# KiCad board SparkFun_BlueSMiRF-ESP32-PTH_panelized.kicad_pcb (continued)
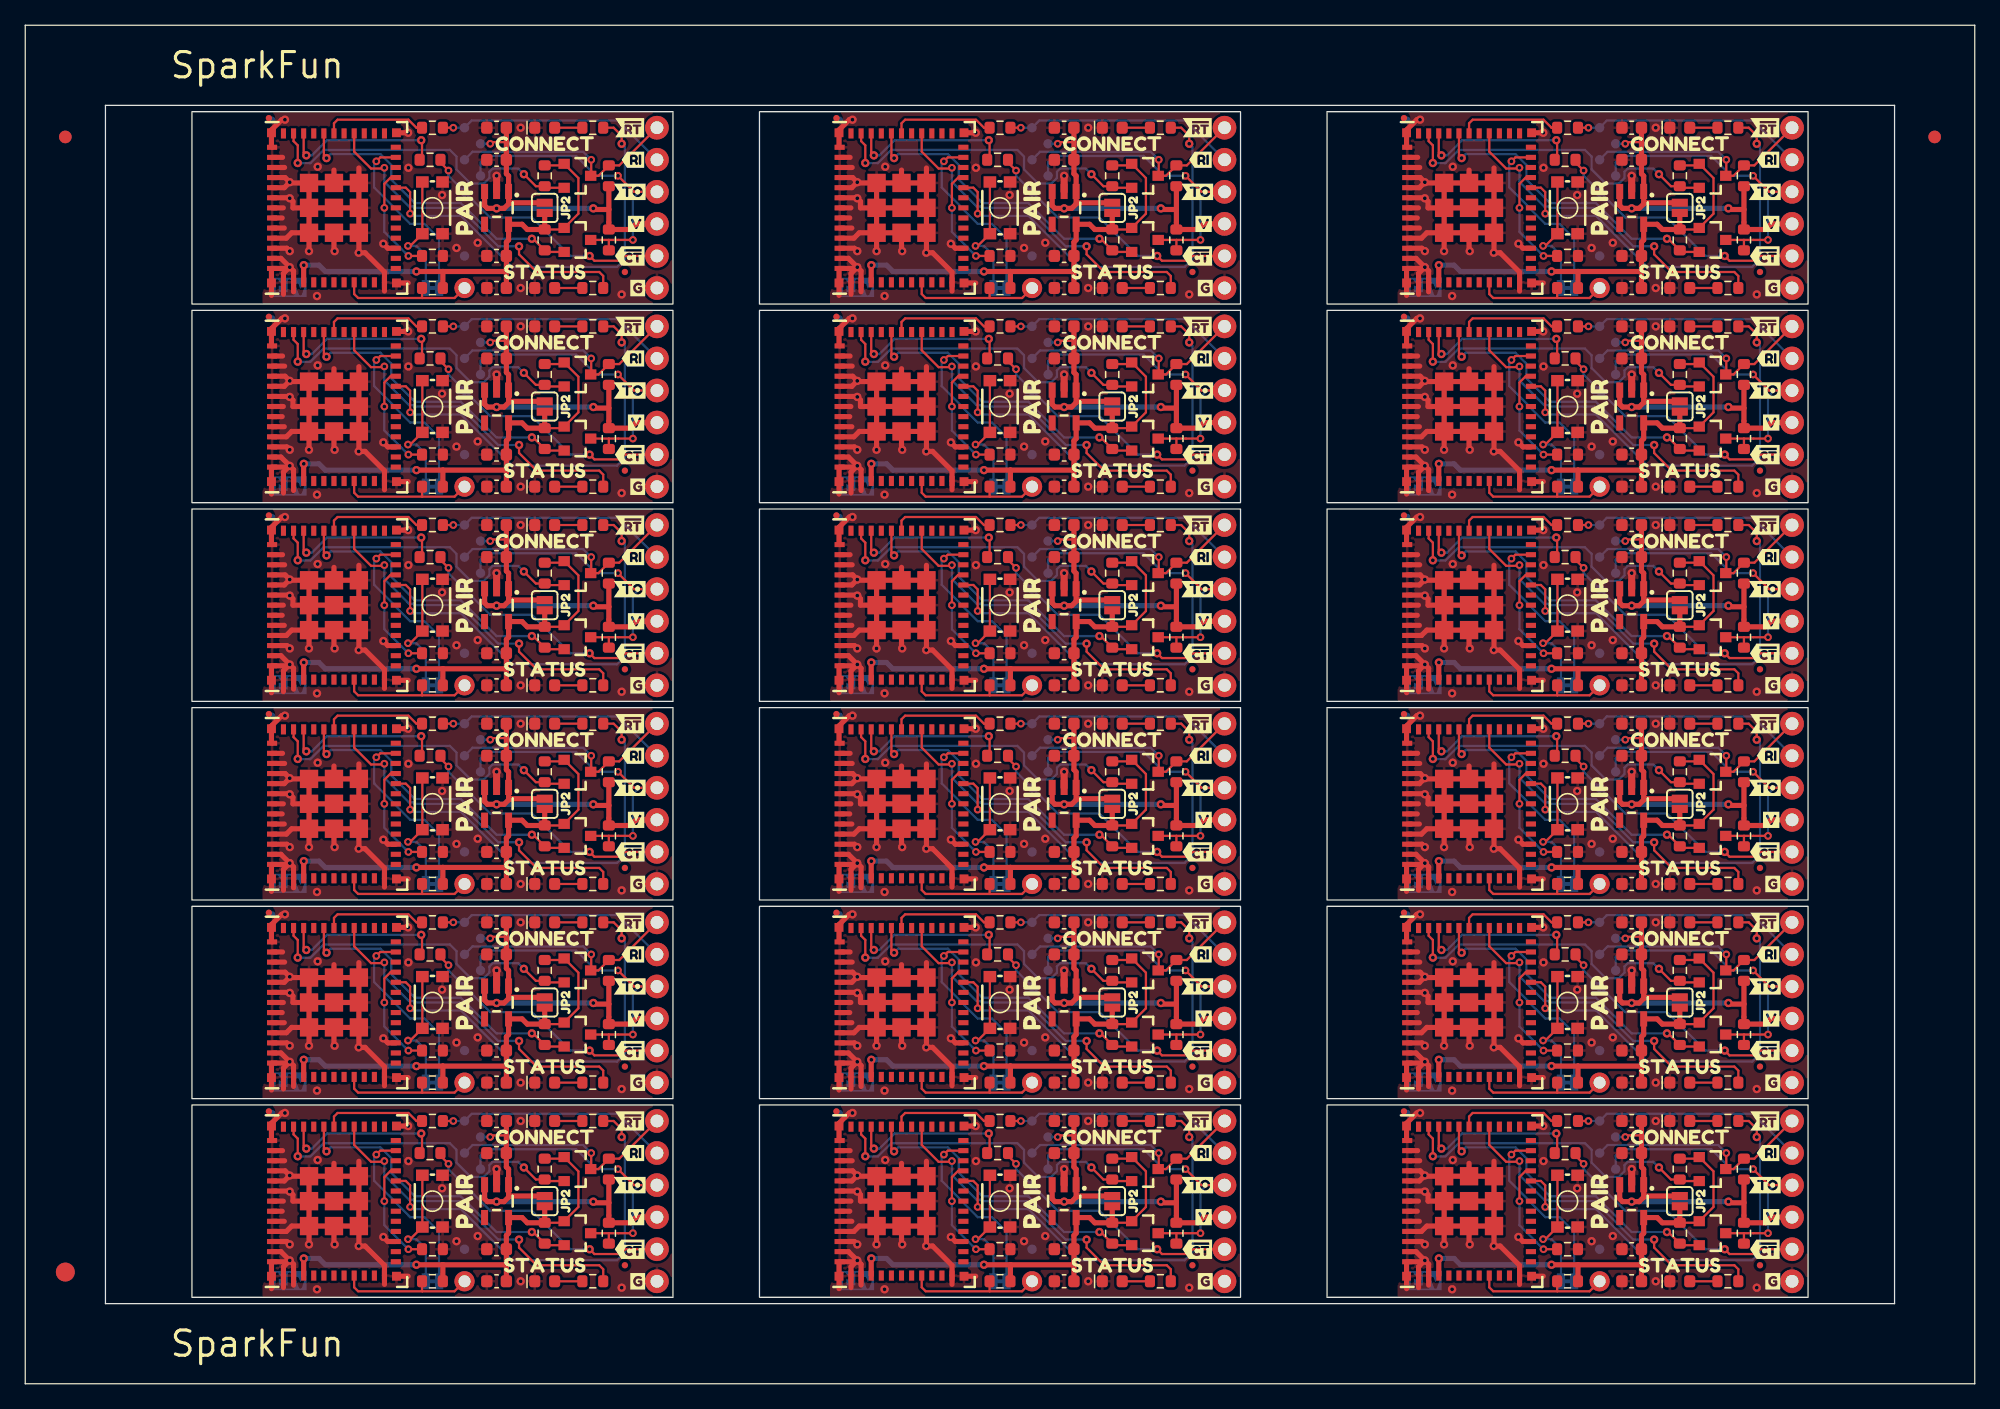
[diagram p0: board, top side]
## Nets (continued)

## Via types
v1: diameter 0.66, hole 0.305, Top to Bottom, 594 vias
v2: diameter 0.61, hole 0.305, Top to Bottom, 216 vias

## Routing (per net, layer and track width the routed paths; a pad name or vN(x,y) marks a point on that pad's centre or on a via; arc(x,y) is an arc through that point)
+3.3V: length 676.6
  Top w0.178: R7#4.1 87.5,59.98 Q1#6.1 88.76,61.23 88.76,64.05 Q2#4.1 87.5,65.06 R8#9.1 ; R7#9.1 87.5,28.5 Q1#7.1 88.76,29.75 88.76,32.57 Q2#10.1 87.5,33.58 R8#6.1 ; R7#5.1 132.45,75.72 Q1#17.1 133.71,76.97 133.71,79.79 Q2#5.1 132.45,80.8 R8#17.1 ; 86.09,96.53 87.5,96.53 Q2#12.1 88.76,95.53 88.76,92.71 Q1#10.1 87.5,91.46 86.09,91.46 ; R7#6.1 87.5,75.72 Q1#15.1 88.76,76.97 88.76,79.79 Q2#2.1 87.5,80.8 R8#10.1 ; R8#14.1 132.45,49.32 Q2#15.1 133.71,48.31 133.71,45.49 Q1#2.1 132.45,44.24 R7#15.1 ; R8#13.1 132.45,33.58 Q2#14.1 133.71,32.57 133.71,29.75 Q1.1 132.45,28.5 R7#14.1 ; R8#12.1 132.45,17.84 Q2#13.1 133.71,16.83 133.71,14.01 Q1#11.1 132.45,12.76 R7#13.1 ; R7#12.1 42.56,75.72 Q1#8.1 43.81,76.97 43.81,79.79 Q2.1 42.56,80.8 R8#4.1 ; R8#8.1 87.5,17.84 Q2#8.1 88.76,16.83 88.76,14.01 Q1#12.1 87.5,12.76 R7#7.1 ; R8.1 42.56,49.32 Q2#9.1 43.81,48.31 43.81,45.49 Q1#5.1 42.56,44.24 R7#8.1 ; R8#3.1 42.56,65.06 Q2#6.1 43.81,64.05 43.81,61.23 Q1#14.1 42.56,59.98 R7.1 ; R7#10.1 87.5,44.24 Q1#3.1 88.76,45.49 88.76,48.31 Q2#11.1 87.5,49.32 R8#7.1 ; R7#16.1 132.45,59.98 Q1#16.1 133.71,61.23 133.71,64.05 Q2#16.1 132.45,65.06 R8#15.1 ; 131.04,96.53 132.45,96.53 Q2#17.1 133.71,95.53 133.71,92.71 Q1#4.1 132.45,91.46 131.04,91.46 ; R8#2.1 42.56,33.58 Q2#3.1 43.81,32.57 43.81,29.75 Q1#13.1 42.56,28.5 R7#3.1 ; R8#18.1 42.56,17.84 Q2#18.1 43.81,16.83 43.81,14.01 Q1#18.1 42.56,12.76 R7#18.1 ; 41.14,96.53 42.56,96.53 Q2#7.1 43.81,95.53 43.81,92.71 Q1#9.1 42.56,91.46 41.14,91.46
  Top w0.406: JP2#14.2 R7#6.1 84.71,75.72 84.3,76.13 U2#12.5 83.23,74.89 83.06,74.71 C3#14.1 83.06,72.39 ; v1(30.98,9.43) 33.08,9.43 ; 33.08,9.43 38.1,9.43 ; 33.07,9.43 R1#18.1 ; 122.98,25.17 128,25.17 ; 122.98,25.17 v1(120.88,25.17) ; 122.97,25.17 R1#6.1 ; 128,25.17 C4#4.1 ; 128,25.17 C3#17.1 128,27.49 128.18,27.67 U2#14.5 129.25,28.91 129.66,28.5 R7#14.1 JP2#15.2 ; U1#8.3 67,9.92 v1(67.01,9.93) ; 38.1,72.39 C3#2.1 38.1,74.71 38.28,74.89 U2#7.5 39.35,76.13 39.76,75.72 R7#12.1 JP2#6.2 ; 38.1,72.39 33.08,72.39 ; 38.1,72.39 C4#7.1 ; U1#12.3 67,41.4 v1(67.01,41.41) ; 33.08,40.91 38.1,40.91 ; 33.08,40.91 v1(30.98,40.91) ; 33.07,40.91 R1#15.1 ; 38.1,40.91 C4#12.1 ; 38.1,40.91 C3#12.1 38.1,43.23 38.28,43.41 U2#3.5 39.35,44.65 39.76,44.24 R7#8.1 JP2.2 ; R1#9.1 122.97,9.43 ; 122.98,9.43 128,9.43 ; 122.98,9.43 v1(120.88,9.43) ; 38.1,88.13 C3#11.1 38.1,90.45 38.28,90.63 U2#2.5 39.35,91.87 39.76,91.46 41.14,91.46 JP2#7.2 ; 38.1,88.13 C4#2.1 ; 38.1,88.13 33.08,88.13 ; 33.07,72.39 R1#12.1 ; 33.08,72.39 v1(30.98,72.39) ; 122.98,40.91 128,40.91 ; 122.98,40.91 v1(120.88,40.91) ; 122.97,40.91 R1#8.1 ; 128,40.91 C4#5.1 ; 128,40.91 C3#6.1 128,43.23 128.18,43.41 U2#5.5 129.25,44.65 129.66,44.24 R7#15.1 JP2#17.2 ; v1(67.01,25.67) 67,25.66 U1#16.3 ; 38.1,9.43 C3#18.1 38.1,11.75 38.28,11.93 U2#18.5 39.35,13.17 39.76,12.76 R7#18.1 JP2#18.2 ; 38.1,9.43 C4#18.1 ; U1#6.3 67,57.14 v1(67.01,57.15) ; U1#7.3 111.95,57.14 v1(111.96,57.15) ; R1#5.1 78.03,72.39 78.03,72.39 ; v1(120.88,56.65) 122.98,56.65 ; 122.97,56.65 R1#10.1 ; 122.98,56.65 128,56.65 ; 122.98,72.39 128,72.39 ; 122.97,72.39 R1#3.1 ; 122.98,72.39 v1(120.88,72.39) ; 128,72.39 C4#11.1 ; 128,72.39 C3#5.1 128,74.71 128.18,74.89 U2#15.5 129.25,76.13 129.66,75.72 R7#5.1 JP2#9.2 ; v1(111.96,41.41) 111.95,41.4 U1#13.3 ; C4#14.1 128,88.13 ; 128,88.13 122.98,88.13 ; 128,88.13 C3#7.1 128,90.45 128.18,90.63 U2#16.5 129.25,91.87 129.66,91.46 131.04,91.46 JP2#16.2 ; 128,9.43 C3#16.1 128,11.75 128.18,11.93 U2#4.5 129.25,13.17 129.66,12.76 R7#13.1 JP2#12.2 ; 128,9.43 C4#15.1 ; R1#14.1 78.03,25.17 78.03,25.17 ; v1(22.06,9.93) 22.05,9.92 U1#18.3 ; C4#16.1 128,56.65 ; 128,56.65 C3#3.1 128,58.97 128.18,59.15 U2#17.5 129.25,60.39 129.66,59.98 R7#16.1 JP2#13.2 ; 78.03,25.17 83.06,25.17 ; 78.03,25.17 v1(75.93,25.17) ; v1(30.98,88.13) 33.08,88.13 ; 33.07,88.13 R1#13.1 ; 78.03,9.43 78.03,9.43 R1#17.1 ; 78.03,9.43 83.06,9.43 ; 78.03,9.43 v1(75.93,9.43) ; 83.06,88.13 C3.1 83.06,90.45 83.23,90.63 U2#13.5 84.3,91.87 84.71,91.46 86.09,91.46 JP2#11.2 ; 83.06,88.13 78.03,88.13 ; 83.06,88.13 C4#3.1 ; 83.06,40.91 C3#13.1 83.06,43.23 83.23,43.41 U2#10.5 84.3,44.65 84.71,44.24 R7#10.1 JP2#3.2 ; 83.06,40.91 78.03,40.91 ; 83.06,40.91 C4#13.1 ; v1(30.98,56.65) 33.08,56.65 ; 33.08,56.65 38.1,56.65 ; 33.07,56.65 R1#16.1 ; 83.06,9.43 C3#8.1 83.06,11.75 83.23,11.93 U2#8.5 84.3,13.17 84.71,12.76 R7#7.1 JP2#2.2 ; 83.06,9.43 C4.1 ; 78.03,88.13 v1(75.93,88.13) ; 78.03,88.13 78.03,88.13 R1#4.1 ; U1#3.3 22.05,57.14 v1(22.06,57.15) ; 78.03,72.39 83.06,72.39 ; 78.03,72.39 v1(75.93,72.39) ; JP2#4.2 R7#3.1 39.76,28.5 39.35,28.91 U2#6.5 38.28,27.67 38.1,27.49 C3#4.1 38.1,25.17 ; U1#14.3 22.05,72.88 v1(22.06,72.89) ; C4#10.1 83.06,72.39 ; v1(111.96,72.89) 111.95,72.88 U1#10.3 ; v1(75.93,56.65) 78.03,56.65 ; 78.03,56.65 78.03,56.65 R1#7.1 ; 78.03,56.65 83.06,56.65 ; 83.06,25.17 C3#15.1 83.06,27.49 83.23,27.67 U2#9.5 84.3,28.91 84.71,28.5 R7#9.1 JP2#8.2 ; 83.06,25.17 C4#8.1 ; U1#17.3 67,72.88 v1(67.01,72.89) ; C4#6.1 38.1,56.65 ; 38.1,56.65 C3#10.1 38.1,58.97 38.28,59.15 U2.5 39.35,60.39 39.76,59.98 R7.1 JP2#5.2 ; v1(111.96,25.67) 111.95,25.66 U1#5.3 ; v1(111.96,9.93) 111.95,9.92 U1#4.3 ; 122.98,88.13 v1(120.88,88.13) ; 122.97,88.13 R1.1 ; U1#15.3 111.95,88.62 v1(111.96,88.63) ; 78.03,40.91 v1(75.93,40.91) ; 78.03,40.91 78.03,40.91 R1#2.1 ; 83.06,56.65 C3#9.1 83.06,58.97 83.23,59.15 U2#11.5 84.3,60.39 84.71,59.98 R7#4.1 JP2#10.2 ; 83.06,56.65 C4#9.1 ; v1(22.06,88.63) 22.05,88.62 U1#11.3 ; U1.3 22.05,25.66 v1(22.06,25.67) ; C4#17.1 38.1,25.17 ; 38.1,25.17 33.08,25.17 ; U1#9.3 67,88.62 v1(67.01,88.63) ; U1#2.3 22.05,41.4 v1(22.06,41.41) ; v1(30.98,25.17) 33.08,25.17 ; 33.07,25.17 R1#11.1
  Bottom w0.406: v1(67.01,88.63) 68.22,88.63 68.72,88.13 v1(75.93,88.13) ; v1(67.01,72.89) 68.22,72.89 68.72,72.39 v1(75.93,72.39) ; v1(75.93,56.65) 68.72,56.65 68.22,57.15 v1(67.01,57.15) ; v1(22.06,57.15) 23.26,57.15 23.76,56.65 v1(30.98,56.65) ; v1(120.88,40.91) 113.66,40.91 113.16,41.41 v1(111.96,41.41) ; v1(120.88,25.17) 113.66,25.17 113.16,25.67 v1(111.96,25.67) ; v1(75.93,25.17) 68.72,25.17 68.22,25.67 v1(67.01,25.67) ; v1(22.06,72.89) 23.26,72.89 23.76,72.39 v1(30.98,72.39) ; v1(30.98,88.13) 23.76,88.13 23.26,88.63 v1(22.06,88.63) ; v1(120.88,72.39) 113.66,72.39 113.16,72.89 v1(111.96,72.89) ; v1(120.88,56.65) 113.66,56.65 113.16,57.15 v1(111.96,57.15) ; v1(120.88,88.13) 113.66,88.13 113.16,88.63 v1(111.96,88.63) ; v1(111.96,9.93) 113.16,9.93 113.66,9.43 v1(120.88,9.43) ; v1(30.98,40.91) 23.76,40.91 23.26,41.41 v1(22.06,41.41) ; v1(30.98,25.17) 23.76,25.17 23.26,25.67 v1(22.06,25.67) ; v1(75.93,9.43) 68.72,9.43 68.22,9.93 v1(67.01,9.93) ; v1(22.06,9.93) 23.26,9.93 23.76,9.43 v1(30.98,9.43) ; v1(75.93,40.91) 68.72,40.91 68.22,41.41 v1(67.01,41.41)
GND: length 1164.4
  Top w0.406: U1#13.42 110.34,45.95 ; U1#10.49.3 116.32,73.89 v1(116.31,73.87) 116.81,73.87 118.35,72.34 U1#10.11 118.35,70.84 ; U1#10.49.3 U1#10.49.2 ; U1#10.49.3 U1#10.49.4 ; U1#14.49.2 U1#14.49.1 ; U1#14.49.2 U1#14.49.3 ; U1#14.49.2 24.45,74.05 v1(24.5,74) ; U1#14.49.1 22.47,74.01 v1(22.47,74) ; U1#14.49.1 21.1,75.46 20.68,75.03 U1#14.45 ; U1#14.49.1 U1#14.49.8 ; v1(20.95,25.51) 20.85,25.41 U1.48 19.5,25.36 U1.53 19.5,23.28 ; v1(20.95,25.51) 21.25,25.21 U1.2 21.25,23.56 ; v1(20.95,25.51) 20.45,25.01 U1.1 20.45,23.36 ; v1(20.95,25.51) 20.25,26.21 U1.47 ; U1#9.46 65.67,89.97 v1(65.9,89.74) ; U1#15.39 110.48,95.57 v1(110.85,95.2) ; 110.35,23.36 U1#5.1 110.35,25.01 v1(110.85,25.51) ; U1#8.47 65.2,10.47 v1(65.9,9.77) ; U1#11.49.8 U1#11.49.9 U1#11.49.4 ; U1#11.49.8 U1#11.49.7 ; U1#11.49.8 21.2,93.17 21.2,93.68 v1(20.95,93.93) 20.91,93.97 U1#11.41 ; U1#11.49.8 U1#11.49.1 ; U1#14.49.4 U1#14.49.9 U1#14.49.8 ; U1#14.49.4 U1#14.49.5 ; U1#14.49.4 U1#14.49.3 ; U1#2.49.8 21.2,45.95 21.2,46.46 v1(20.95,46.71) 20.91,46.75 U1#2.41 ; U1#2.49.8 U1#2.49.1 ; U1#2.49.8 U1#2.49.9 U1#2.49.4 ; U1#2.49.8 22.47,47.93 ; 71.38,59.72 71.38,58.15 v1(71.36,58.13) 71.86,58.13 73.4,56.6 U1#6.11 73.4,55.1 ; 71.38,59.72 U1#6.49.4 ; 71.38,59.72 69.4,59.72 ; U1#17.49.6 69.4,80.43 ; U1#17.49.6 U1#17.49.5 ; U1#17.49.6 67.42,79.41 ; 65.4,54.84 U1#6.1 65.4,56.49 v1(65.9,56.99) ; v1(67.42,42.52) 67.42,42.53 67.42,43.98 ; U1#12.49.2 69.4,42.57 v1(69.45,42.52) ; U1#12.49.2 67.42,43.98 ; U1#12.49.2 U1#12.49.3 ; 67.42,32.19 65.95,32.19 v1(65.9,32.24) ; 67.42,32.19 U1#16.49.6 ; 67.42,32.19 67.42,30.21 ; 69.4,47.93 71.38,47.93 ; 69.4,47.93 67.42,47.93 ; 69.4,47.93 69.4,48.95 ; 71.38,47.93 71.38,49.11 ; 71.38,47.93 U1#12.49.4 ; 67.42,77.43 U1#17.49.9 U1#17.49.4 ; 67.42,77.43 67.42,75.46 ; 67.42,77.43 67.42,79.41 ; 67.42,77.43 66.15,77.43 66.15,77.94 v1(65.9,78.19) 65.86,78.23 U1#17.41 ; U1#10.49.8 U1#10.49.9 U1#10.49.4 ; U1#10.49.8 111.1,77.43 111.1,77.94 v1(110.85,78.19) 110.81,78.23 U1#10.41 ; U1#10.49.8 U1#10.49.7 ; U1#10.49.8 U1#10.49.1 ; v1(24.5,42.52) 24.45,42.57 U1#2.49.2 ; U1#13.49.1 112.38,42.53 v1(112.37,42.52) ; U1#13.49.1 U1#13.49.8 ; U1#13.49.1 U1#13.49.2 ; U1#13.49.1 111,43.98 110.58,43.55 U1#13.45 ; U1#3.49.7 21,63.67 v1(20.95,63.72) ; U1#3.49.7 U1#3.49.8 ; U1#3.49.7 U1#3.49.6 ; U1.14 28.72,27.01 v1(28.36,27.37) ; 22.47,12.5 22.47,11.05 v1(22.47,11.04) ; 22.47,12.5 21.1,12.5 20.68,12.07 U1#18.45 ; 22.47,12.5 U1#18.49.8 ; 22.47,12.5 24.45,12.5 ; U1#9.40 65.47,94.77 v1(65.9,95.2) ; v1(118.26,90.33) 118.62,89.97 U1#15.14 ; v1(28.36,11.63) 28.72,11.27 U1#18.14 ; U1#5.49.1 111,28.24 110.58,27.81 U1#5.45 ; U1#5.49.1 112.38,26.79 v1(112.37,26.78) ; U1#5.49.1 U1#5.49.2 ; U1#5.49.1 U1#5.49.8 ; U1#10.36 109.4,82.28 U1#10.50 109.4,83.6 110.21,84.42 v1(110.47,84.42) ; U1#3.49.8 21.2,61.69 21.2,62.2 v1(20.95,62.45) 20.91,62.49 U1#3.41 ; U1#3.49.8 22.47,59.72 ; U1#3.49.8 U1#3.49.9 U1#3.49.4 ; U1#7.49.5 116.32,64.85 ; U1#7.49.5 U1#7.49.6 ; U1#7.49.5 U1#7.49.4 ; v1(65.9,72.73) 65.2,73.43 U1#17.47 ; v1(65.9,72.73) 66.2,72.43 U1#17.2 66.2,70.78 ; v1(65.9,72.73) 65.8,72.63 U1#17.48 64.45,72.58 U1#17.53 64.45,70.5 ; v1(65.9,72.73) 65.4,72.23 U1#17.1 65.4,70.58 ; U1#9.36 64.45,98.02 U1#9.50 64.45,99.34 65.26,100.16 v1(65.52,100.16) ; U1#8.49.4 U1#8.49.9 67.42,14.47 ; U1#8.49.4 U1#8.49.5 ; U1#8.49.4 71.38,12.5 ; v1(20.95,63.72) 20.58,64.09 U1#3.39 ; v1(20.95,63.72) 20.51,63.29 U1#3.40 ; 73.4,39.36 U1#12.11 73.4,40.86 71.86,42.39 v1(71.36,42.39) 71.38,42.41 U1#12.49.3 ; U1#8.44 65.47,12.87 ; U1.49.8 U1.49.9 U1.49.4 ; U1.49.8 21.2,30.21 21.2,30.72 v1(20.95,30.97) 20.91,31.01 U1.41 ; U1.49.8 U1.49.1 ; U1.49.8 U1.49.7 ; U1#12.39 65.53,48.35 v1(65.9,47.98) ; U1#18.37 20.38,18.47 ; U1#14.43 20.35,76.63 ; 110.35,39.1 U1#13.1 110.35,40.75 v1(110.85,41.25) ; v1(110.85,25.51) 110.75,25.41 U1#5.48 109.4,25.36 U1#5.53 109.4,23.28 ; v1(110.85,25.51) 111.15,25.21 U1#5.2 111.15,23.56 ; v1(110.85,25.51) 110.15,26.21 U1#5.47 ; v1(118.26,11.63) 118.62,11.27 U1#4.14 ; v1(69.45,26.78) 69.4,26.83 U1#16.49.2 ; U1#3.14 28.72,58.49 v1(28.36,58.85) ; v1(20.95,41.25) 20.45,40.75 U1#2.1 20.45,39.1 ; v1(20.95,41.25) 20.85,41.15 U1#2.48 19.5,41.1 U1#2.53 19.5,39.02 ; v1(20.95,41.25) 21.25,40.95 U1#2.2 21.25,39.3 ; v1(20.95,41.25) 20.25,41.95 U1#2.47 ; U1#13.14 118.62,42.75 v1(118.26,43.11) ; v1(24.5,26.78) 24.45,26.83 U1.49.2 ; 28.45,70.84 U1#14.11 28.45,72.34 26.91,73.87 v1(26.41,73.87) 26.42,73.89 U1#14.49.3 ; U1#3.42 20.44,61.69 ; v1(65.9,9.77) 66.2,9.47 U1#8.2 66.2,7.82 ; v1(65.9,9.77) 65.8,9.67 U1#8.48 64.45,9.62 U1#8.53 64.45,7.53 ; v1(65.9,9.77) 65.4,9.27 U1#8.1 65.4,7.62 ; 71.38,12.5 69.4,12.5 ; 71.38,12.5 71.38,10.93 v1(71.36,10.91) 71.86,10.91 73.4,9.38 U1#8.11 73.4,7.88 ; 69.4,12.5 67.42,12.5 ; 69.4,12.5 69.4,11.09 v1(69.45,11.04) ; U1#18.47 20.25,10.47 v1(20.95,9.77) ; U1#17.44 65.47,75.83 ; v1(110.85,47.98) 110.9,47.93 112.38,47.93 ; v1(110.85,47.98) 110.48,48.35 U1#13.39 ; v1(110.85,47.98) 110.41,47.55 U1#13.40 ; U1#6.49.6 U1#6.49.5 ; U1#6.49.6 67.42,63.67 ; U1#6.49.6 69.4,64.69 ; U1#6.49.5 U1#6.49.4 ; U1#6.49.5 71.38,64.85 ; U1#10.49.6 U1#10.49.7 ; U1#10.49.6 U1#10.49.5 ; U1#10.49.6 114.35,80.43 ; U1#10.49.7 110.9,79.41 v1(110.85,79.46) ; U1#11.52 30.33,87.22 ; U1#16.49.4 U1#16.49.9 67.42,30.21 ; U1#16.49.4 U1#16.49.5 ; U1#16.49.4 U1#16.49.3 ; v1(65.9,32.24) 65.53,32.61 U1#16.39 ; v1(65.9,32.24) 65.47,31.81 U1#16.40 ; 67.42,45.95 67.42,47.93 ; 67.42,45.95 U1#12.49.9 U1#12.49.4 ; 67.42,45.95 67.42,43.98 ; 67.42,45.95 66.15,45.95 66.15,46.46 v1(65.9,46.71) 65.86,46.75 U1#12.41 ; 67.42,47.93 65.95,47.93 v1(65.9,47.98) ; 114.35,59.72 112.38,59.72 ; 114.35,59.72 116.32,59.72 ; 114.35,59.72 114.35,58.31 v1(114.4,58.26) ; 112.38,59.72 U1#7.49.8 ; 112.38,59.72 111,59.72 110.58,59.29 U1#7.45 ; 112.38,59.72 112.38,58.27 v1(112.37,58.26) ; U1#17.49.5 U1#17.49.4 ; U1#17.49.5 71.38,80.59 ; U1.51 v1(30.33,36.16) ; 67.42,14.47 66.15,14.47 66.15,14.98 v1(65.9,15.23) 65.86,15.27 U1#8.41 ; 67.42,14.47 67.42,12.5 ; 67.42,14.47 67.42,16.45 ; U1#10.45 110.58,75.03 111,75.46 U1#10.49.1 ; v1(65.9,25.51) 65.4,25.01 U1#16.1 65.4,23.36 ; v1(65.9,25.51) 66.2,25.21 U1#16.2 66.2,23.56 ; v1(65.9,25.51) 65.2,26.21 U1#16.47 ; v1(65.9,25.51) 65.8,25.41 U1#16.48 64.45,25.36 U1#16.53 64.45,23.28 ; U1#9.49.5 71.38,96.33 ; U1#9.49.5 U1#9.49.4 ; U1#9.49.5 U1#9.49.6 ; v1(20.95,95.2) 20.51,94.77 U1#11.40 ; v1(20.95,95.2) 20.58,95.57 U1#11.39 ; v1(20.95,95.2) 21,95.15 U1#11.49.7 ; v1(20.95,32.24) 21,32.19 U1.49.7 ; v1(20.95,32.24) 20.51,31.81 U1.40 ; v1(20.95,32.24) 20.58,32.61 U1.39 ; U1#6.49.4 U1#6.49.9 67.42,61.69 ; 21.25,70.78 U1#14.2 21.25,72.43 v1(20.95,72.73) ; U1#12.40 65.47,47.55 v1(65.9,47.98) ; U1#4.43 110.25,13.67 ; v1(110.85,41.25) 110.15,41.95 U1#13.47 ; v1(110.85,41.25) 111.15,40.95 U1#13.2 111.15,39.3 ; v1(110.85,41.25) 110.75,41.15 U1#13.48 109.4,41.1 U1#13.53 109.4,39.02 ; v1(110.85,95.2) 110.41,94.77 U1#15.40 ; v1(110.85,95.2) 110.9,95.15 U1#15.49.7 ; U1#3.38 20.54,64.89 ; 24.45,59.72 24.45,58.31 v1(24.5,58.26) ; 24.45,59.72 22.47,59.72 ; 24.45,59.72 26.42,59.72 ; v1(110.85,32.24) 110.48,32.61 U1#5.39 ; v1(110.85,32.24) 110.9,32.19 U1#5.49.7 ; v1(110.85,32.24) 110.41,31.81 U1#5.40 ; v1(110.85,72.73) 110.15,73.43 U1#10.47 ; v1(110.85,72.73) 111.15,72.43 U1#10.2 111.15,70.78 ; v1(110.85,72.73) 110.35,72.23 U1#10.1 110.35,70.58 ; v1(110.85,72.73) 110.75,72.63 U1#10.48 109.4,72.58 U1#10.53 109.4,70.5 ; U1#12.51 v1(75.28,51.9) ; U1#2.49.3 U1#2.49.2 ; U1#2.49.3 U1#2.49.4 ; U1#2.49.3 26.42,42.41 v1(26.41,42.39) 26.91,42.39 28.45,40.86 U1#2.11 28.45,39.36 ; U1#2.49.2 U1#2.49.1 ; U1#10.37 110.28,81.43 ; U1#3.49.4 U1#3.49.5 ; U1#3.49.4 26.42,59.72 ; U1#3.49.5 26.42,64.85 ; U1#3.49.5 U1#3.49.6 ; U1#15.49.3 116.32,89.63 v1(116.31,89.61) 116.81,89.61 118.35,88.08 U1#15.11 118.35,86.58 ; U1#15.49.3 U1#15.49.4 ; U1#15.49.3 U1#15.49.2 ; 69.4,59.72 67.42,59.72 ; 69.4,59.72 69.4,58.31 v1(69.45,58.26) ; 67.42,59.72 66.06,59.72 65.63,59.29 U1#6.45 ; 67.42,59.72 67.42,58.27 v1(67.42,58.26) ; 67.42,59.72 67.42,61.69 ; 67.42,28.24 66.06,28.24 65.63,27.81 U1#16.45 ; 67.42,28.24 67.42,26.79 v1(67.42,26.78) ; 67.42,28.24 67.42,30.21 ; 67.42,28.24 U1#16.49.2 ; U1#5.49.8 111.1,30.21 111.1,30.72 v1(110.85,30.97) 110.81,31.01 U1#5.41 ; U1#5.49.8 U1#5.49.9 U1#5.49.4 ; U1#5.49.8 U1#5.49.7 ; U1#9.47 65.2,89.17 v1(65.9,88.47) ; U1#13.49.3 U1#13.49.2 ; U1#13.49.3 U1#13.49.4 ; U1#13.49.3 116.32,42.41 v1(116.31,42.39) 116.81,42.39 118.35,40.86 U1#13.11 118.35,39.36 ; U1#13.49.2 114.35,42.57 v1(114.4,42.52) ; U1#8.49.6 U1#8.49.5 ; U1#8.49.6 69.4,17.47 ; U1#8.49.6 67.42,16.45 ; U1#8.49.5 71.38,17.63 ; U1#5.49.3 U1#5.49.2 ; U1#5.49.3 116.32,26.67 v1(116.31,26.65) 116.81,26.65 118.35,25.12 U1#5.11 118.35,23.62 ; U1#5.49.3 U1#5.49.4 ; U1#5.49.2 114.35,26.83 v1(114.4,26.78) ; U1#13.43 110.25,45.15 ; U1#14.49.6 U1#14.49.5 ; U1#14.49.6 24.45,80.43 ; U1#14.49.6 U1#14.49.7 ; U1#14.49.5 26.42,80.59 ; U1#14.51 v1(30.33,83.38) ; 67.42,75.46 66.06,75.46 65.63,75.03 U1#17.45 ; 67.42,75.46 67.42,74.01 v1(67.42,74) ; 67.42,75.46 U1#17.49.2 ; v1(20.95,16.5) 21,16.45 U1#18.49.7 ; v1(20.95,16.5) 20.51,16.07 U1#18.40 ; v1(20.95,16.5) 20.58,16.87 U1#18.39 ; U1#6.40 65.47,63.29 v1(65.9,63.72) ; U1.49.7 U1.49.6 ; U1#8.46 65.67,11.27 v1(65.9,11.04) ; v1(114.4,89.74) 114.35,89.79 U1#15.49.2 ; v1(110.85,58.26) 110.62,58.49 U1#7.46 ; U1#15.52 120.23,87.22 ; U1.49.5 26.42,33.37 ; U1.49.5 U1.49.4 ; U1.49.5 U1.49.6 ; U1#17.37 65.33,81.43 ; 26.42,12.5 U1#18.49.4 ; 26.42,12.5 26.42,10.93 v1(26.41,10.91) 26.91,10.91 28.45,9.38 U1#18.11 28.45,7.88 ; 26.42,12.5 24.45,12.5 ; U1#18.49.4 U1#18.49.9 U1#18.49.8 ; U1#18.49.4 U1#18.49.5 ; 28.45,86.58 U1#11.11 28.45,88.08 26.91,89.61 v1(26.41,89.61) 26.42,89.63 U1#11.49.3 ; v1(20.57,37.2) 20.31,37.2 19.5,36.38 U1.50 19.5,35.06 U1.36 ; U1#9.49.4 U1#9.49.3 ; U1#9.49.4 U1#9.49.9 67.42,93.17 ; U1#17.14 73.67,74.23 v1(73.31,74.59) ; 110.35,86.32 U1#15.1 110.35,87.97 v1(110.85,88.47) ; 67.42,61.69 66.15,61.69 66.15,62.2 v1(65.9,62.45) 65.86,62.49 U1#6.41 ; 67.42,61.69 67.42,63.67 ; U1#9.39 65.53,95.57 v1(65.9,95.2) ; U1#14.49.8 21.2,77.43 21.2,77.94 v1(20.95,78.19) 20.91,78.23 U1#14.41 ; U1#14.49.8 U1#14.49.7 ; U1#10.49.2 U1#10.49.1 ; U1#10.49.2 114.35,74.05 v1(114.4,74) ; 67.42,63.67 65.95,63.67 v1(65.9,63.72) ; v1(110.85,56.99) 111.15,56.69 U1#7.2 111.15,55.04 ; v1(110.85,56.99) 110.15,57.69 U1#7.47 ; v1(110.85,56.99) 110.35,56.49 U1#7.1 110.35,54.84 ; v1(110.85,56.99) 110.75,56.89 U1#7.48 109.4,56.84 U1#7.53 109.4,54.76 ; U1#18.43 20.35,13.67 ; v1(22.47,26.78) 22.47,26.79 U1.49.1 ; 22.47,59.72 22.47,58.27 v1(22.47,58.26) ; 22.47,59.72 21.1,59.72 20.68,59.29 U1#3.45 ; U1#2.38 20.54,49.15 ; U1#14.38 20.54,80.63 ; v1(20.95,58.26) 20.72,58.49 U1#3.46 ; U1#4.49.8 U1#4.49.7 ; U1#4.49.8 111.1,14.47 111.1,14.98 v1(110.85,15.23) 110.81,15.27 U1#4.41 ; U1#4.49.8 112.38,12.5 ; U1#4.49.8 U1#4.49.9 U1#4.49.4 ; U1#4.49.7 110.9,16.45 v1(110.85,16.5) ; U1#4.49.7 U1#4.49.6 ; U1.52 30.33,24.26 ; U1#13.46 110.62,42.75 v1(110.85,42.52) ; U1#6.42 65.39,61.69 ; 66.2,55.04 U1#6.2 66.2,56.69 v1(65.9,56.99) ; 67.42,91.2 67.42,89.75 v1(67.42,89.74) ; 67.42,91.2 U1#9.49.2 ; 67.42,91.2 66.06,91.2 65.63,90.77 U1#9.45 ; 67.42,91.2 67.42,93.17 ; v1(110.85,79.46) 110.41,79.03 U1#10.40 ; v1(110.85,79.46) 110.48,79.83 U1#10.39 ; U1#9.49.6 67.42,95.15 ; U1#9.49.6 69.4,96.17 ; 67.42,95.15 67.42,93.17 ; 67.42,95.15 65.95,95.15 v1(65.9,95.2) ; v1(20.95,79.46) 21,79.41 U1#14.49.7 ; v1(20.95,79.46) 20.51,79.03 U1#14.40 ; v1(20.95,79.46) 20.58,79.83 U1#14.39 ; U1#7.43 110.25,60.89 ; U1#16.49.6 U1#16.49.5 ; U1#16.49.6 69.4,33.21 ; U1#16.49.5 71.38,33.37 ; 26.42,59.72 26.42,58.15 v1(26.41,58.13) 26.91,58.13 28.45,56.6 U1#3.11 28.45,55.1 ; U1.43 20.35,29.41 ; U1#14.42 20.44,77.43 ; v1(24.5,11.04) 24.45,11.09 24.45,12.5 ; U1#2.44 20.51,44.35 ; U1#11.44 20.51,91.57 ; U1#2.49.4 26.42,47.93 ; U1#11.49.3 U1#11.49.2 ; U1#11.49.3 U1#11.49.4 ; U1#14.37 20.38,81.43 ; U1.37 20.38,34.21 ; U1#11.49.2 24.45,89.79 v1(24.5,89.74) ; U1#11.49.2 U1#11.49.1 ; U1#12.49.3 U1#12.49.4 ; 19.5,54.76 U1#3.53 19.5,56.84 U1#3.48 20.85,56.89 v1(20.95,56.99) ; v1(65.9,79.46) 65.47,79.03 U1#17.40 ; v1(65.9,79.46) 65.95,79.41 67.42,79.41 ; v1(65.9,79.46) 65.53,79.83 U1#17.39 ; U1#10.49.5 U1#10.49.4 ; U1#10.49.5 116.32,80.59 ; U1#16.43 65.3,29.41 ; U1#11.49.7 U1#11.49.6 ; U1#2.37 20.38,49.95 ; 114.35,47.93 112.38,47.93 ; 114.35,47.93 114.35,48.95 ; 114.35,47.93 116.32,47.93 ; 112.38,47.93 U1#13.49.8 ; U1#16.36 64.45,35.06 U1#16.50 64.45,36.38 65.26,37.2 v1(65.52,37.2) ; U1#18.36 19.5,19.32 U1#18.50 19.5,20.64 20.31,21.46 v1(20.57,21.46) ; U1#10.49.1 112.38,74.01 v1(112.37,74) ; U1#7.49.6 114.35,64.69 ; U1#7.49.6 U1#7.49.7 ; U1#11.49.6 24.45,96.17 ; U1#11.49.6 U1#11.49.5 ; v1(110.85,63.72) 110.9,63.67 U1#7.49.7 ; v1(110.85,63.72) 110.41,63.29 U1#7.40 ; v1(110.85,63.72) 110.48,64.09 U1#7.39 ; U1#15.49.1 111,91.2 110.58,90.77 U1#15.45 ; U1#15.49.1 U1#15.49.8 ; U1#15.49.1 112.38,89.75 v1(112.37,89.74) ; U1#15.49.1 U1#15.49.2 ; v1(65.9,56.99) 65.2,57.69 U1#6.47 ; v1(65.9,56.99) 65.8,56.89 U1#6.48 64.45,56.84 U1#6.53 64.45,54.76 ; U1.49.2 U1.49.1 ; U1.49.2 U1.49.3 ; v1(112.37,11.04) 112.38,11.05 112.38,12.5 ; U1#8.37 65.33,18.47 ; 116.32,12.5 114.35,12.5 ; 116.32,12.5 116.32,10.93 v1(116.31,10.91) 116.81,10.91 118.35,9.38 U1#4.11 118.35,7.88 ; 116.32,12.5 U1#4.49.4 ; 114.35,12.5 114.35,11.09 v1(114.4,11.04) ; 114.35,12.5 112.38,12.5 ; U1#9.49.2 69.4,89.79 v1(69.45,89.74) ; U1#9.49.2 U1#9.49.3 ; U1.49.3 U1.49.4 ; U1.49.3 26.42,26.67 v1(26.41,26.65) 26.91,26.65 28.45,25.12 U1.11 28.45,23.62 ; U1#13.49.8 U1#13.49.9 U1#13.49.4 ; U1#13.49.8 111.1,45.95 111.1,46.46 v1(110.85,46.71) 110.81,46.75 U1#13.41 ; U1#15.36 109.4,98.02 U1#15.50 109.4,99.34 110.21,100.16 v1(110.47,100.16) ; U1#15.47 110.15,89.17 v1(110.85,88.47) ; U1.49.1 21.1,28.24 20.68,27.81 U1.45 ; U1#18.49.5 26.42,17.63 ; U1#18.49.5 U1#18.49.6 ; v1(20.95,47.98) 20.58,48.35 U1#2.39 ; v1(20.95,47.98) 20.51,47.55 U1#2.40 ; v1(20.95,47.98) 21,47.93 22.47,47.93 ; v1(69.45,74) 69.4,74.05 U1#17.49.2 ; U1#2.46 20.72,42.75 v1(20.95,42.52) ; U1#15.49.8 U1#15.49.9 U1#15.49.4 ; U1#15.49.8 U1#15.49.7 ; U1#15.49.8 111.1,93.17 111.1,93.68 v1(110.85,93.93) 110.81,93.97 U1#15.41 ; 21.25,55.04 U1#3.2 21.25,56.69 v1(20.95,56.99) ; v1(110.47,37.2) 110.21,37.2 109.4,36.38 U1#5.50 109.4,35.06 U1#5.36 ; U1#4.44 110.41,12.87 ; U1#11.43 20.35,92.37 ; U1#2.14 28.72,42.75 v1(28.36,43.11) ; U1#12.14 73.67,42.75 v1(73.31,43.11) ; 73.4,23.62 U1#16.11 73.4,25.12 71.86,26.65 v1(71.36,26.65) 71.38,26.67 U1#16.49.3 ; 67.42,12.5 66.06,12.5 65.63,12.07 U1#8.45 ; 67.42,12.5 67.42,11.05 v1(67.42,11.04) ; 67.42,30.21 66.15,30.21 66.15,30.72 v1(65.9,30.97) 65.86,31.01 U1#16.41 ; U1#18.42 20.44,14.47 ; U1#18.46 20.72,11.27 v1(20.95,11.04) ; U1#17.36 64.45,82.28 U1#17.50 64.45,83.6 65.26,84.42 v1(65.52,84.42) ; U1#5.38 110.44,33.41 ; U1.38 20.54,33.41 ; U1#5.49.4 U1#5.49.5 ; 116.32,59.72 U1#7.49.4 ; 116.32,59.72 116.32,58.15 v1(116.31,58.13) 116.81,58.13 118.35,56.6 U1#7.11 118.35,55.1 ; U1#7.49.4 U1#7.49.9 U1#7.49.8 ; 20.45,7.62 U1#18.1 20.45,9.27 v1(20.95,9.77) ; 19.5,86.24 U1#11.53 19.5,88.32 U1#11.48 20.85,88.37 v1(20.95,88.47) ; U1#11.46 20.72,89.97 v1(20.95,89.74) ; v1(110.47,21.46) 110.21,21.46 109.4,20.64 U1#4.50 109.4,19.32 U1#4.36 ; U1#15.51 v1(120.23,99.12) ; U1#9.44 65.47,91.57 ; U1#13.37 110.28,49.95 ; U1#5.52 120.23,24.26 ; v1(65.9,42.52) 65.67,42.75 U1#12.46 ; U1#13.49.4 116.32,47.93 ; U1#13.44 110.41,44.35 ; v1(20.95,72.73) 20.85,72.63 U1#14.48 19.5,72.58 U1#14.53 19.5,70.5 ; v1(20.95,72.73) 20.45,72.23 U1#14.1 20.45,70.58 ; v1(20.95,72.73) 20.25,73.43 U1#14.47 ; 67.42,43.98 66.06,43.98 65.63,43.55 U1#12.45 ; U1#2.49.1 21.1,43.98 20.68,43.55 U1#2.45 ; U1#2.49.1 22.47,42.53 v1(22.47,42.52) ; U1#8.43 65.3,13.67 ; U1#10.14 118.62,74.23 v1(118.26,74.59) ; U1#15.49.7 U1#15.49.6 ; U1#10.42 110.34,77.43 ; U1#17.49.3 71.38,73.89 v1(71.36,73.87) 71.86,73.87 73.4,72.34 U1#17.11 73.4,70.84 ; U1#17.49.3 U1#17.49.4 ; U1#17.49.3 U1#17.49.2 ; U1#7.44 110.41,60.09 ; U1#15.43 110.25,92.37 ; U1#16.38 65.49,33.41 ; v1(20.95,74) 20.72,74.23 U1#14.46 ; U1#16.37 65.33,34.21 ; U1#11.36 19.5,98.02 U1#11.50 19.5,99.34 20.31,100.16 v1(20.57,100.16) ; U1#7.49.8 U1#7.49.7 ; U1#7.49.8 111.1,61.69 111.1,62.2 v1(110.85,62.45) 110.81,62.49 U1#7.41 ; v1(65.52,21.46) 65.26,21.46 64.45,20.64 U1#8.50 64.45,19.32 U1#8.36 ; v1(65.9,88.47) 65.4,87.97 U1#9.1 65.4,86.32 ; v1(65.9,88.47) 66.2,88.17 U1#9.2 66.2,86.52 ; v1(65.9,88.47) 65.8,88.37 U1#9.48 64.45,88.32 U1#9.53 64.45,86.24 ; v1(28.36,90.33) 28.72,89.97 U1#11.14 ; 24.45,47.93 26.42,47.93 ; 24.45,47.93 24.45,48.95 ; 24.45,47.93 22.47,47.93 ; 26.42,47.93 26.42,49.11 ; U1#2.42 20.44,45.95 ; U1#5.42 110.34,30.21 ; U1#11.49.4 U1#11.49.5 ; U1#18.49.8 21.2,14.47 21.2,14.98 v1(20.95,15.23) 20.91,15.27 U1#18.41 ; U1#18.49.8 U1#18.49.7 ; v1(73.31,11.63) 73.67,11.27 U1#8.14 ; U1#5.49.6 114.35,33.21 ; U1#5.49.6 U1#5.49.7 ; U1#5.49.6 U1#5.49.5 ; v1(110.85,9.77) 110.35,9.27 U1#4.1 110.35,7.62 ; v1(110.85,9.77) 111.15,9.47 U1#4.2 111.15,7.82 ; v1(110.85,9.77) 110.75,9.67 U1#4.48 109.4,9.62 U1#4.53 109.4,7.53 ; v1(110.85,9.77) 110.15,10.47 U1#4.47 ; v1(65.9,26.78) 65.67,27.01 U1#16.46 ; U1#7.51 v1(120.23,67.64) ; U1#5.14 118.62,27.01 v1(118.26,27.37) ; U1#10.38 110.44,80.63 ; v1(20.57,68.68) 20.31,68.68 19.5,67.86 U1#3.50 19.5,66.54 U1#3.36 ; v1(20.95,56.99) 20.25,57.69 U1#3.47 ; v1(20.95,56.99) 20.45,56.49 U1#3.1 20.45,54.84 ; v1(22.47,89.74) 22.47,89.75 U1#11.49.1 ; U1#16.52 75.28,24.26 ; v1(20.95,9.77) 21.25,9.47 U1#18.2 21.25,7.82 ; v1(20.95,9.77) 20.85,9.67 U1#18.48 19.5,9.62 U1#18.53 19.5,7.53 ; U1#11.49.1 21.1,91.2 20.68,90.77 U1#11.45 ; U1#7.52 120.23,55.74 ; U1#16.49.3 U1#16.49.2 ; 64.45,39.02 U1#12.53 64.45,41.1 U1#12.48 65.8,41.15 v1(65.9,41.25) ; v1(110.85,88.47) 110.75,88.37 U1#15.48 109.4,88.32 U1#15.53 109.4,86.24 ; v1(110.85,88.47) 111.15,88.17 U1#15.2 111.15,86.52 ; v1(110.47,52.94) 110.21,52.94 109.4,52.12 U1#13.50 109.4,50.8 U1#13.36 ; v1(20.57,84.42) 20.31,84.42 19.5,83.6 U1#14.50 19.5,82.28 U1#14.36 ; v1(110.47,68.68) 110.21,68.68 109.4,67.86 U1#7.50 109.4,66.54 U1#7.36 ; v1(118.26,58.85) 118.62,58.49 U1#7.14 ; 67.42,93.17 66.15,93.17 66.15,93.68 v1(65.9,93.93) 65.86,93.97 U1#9.41 ; 112.38,12.5 111,12.5 110.58,12.07 U1#4.45 ; v1(20.95,88.47) 21.25,88.17 U1#11.2 21.25,86.52 ; v1(20.95,88.47) 20.25,89.17 U1#11.47 ; v1(20.95,88.47) 20.45,87.97 U1#11.1 20.45,86.32 ; v1(110.85,26.78) 110.62,27.01 U1#5.46 ; U1#4.49.6 U1#4.49.5 ; U1#4.49.6 114.35,17.47 ; v1(65.9,74) 65.67,74.23 U1#17.46 ; U1#11.49.5 26.42,96.33 ; v1(65.9,41.25) 66.2,40.95 U1#12.2 66.2,39.3 ; v1(65.9,41.25) 65.2,41.95 U1#12.47 ; v1(65.9,41.25) 65.4,40.75 U1#12.1 65.4,39.1 ; U1#18.49.6 U1#18.49.7 ; U1#18.49.6 24.45,17.47 ; U1#8.38 65.49,17.67 ; U1#15.49.4 U1#15.49.5 ; U1#16.51 v1(75.28,36.16) ; v1(65.9,58.26) 65.67,58.49 U1#6.46 ; U1#7.37 110.28,65.69 ; U1#8.39 65.53,16.87 v1(65.9,16.5) ; U1#17.52 75.28,71.48 ; U1#4.42 110.34,14.47 ; U1#9.14 73.67,89.97 v1(73.31,90.33) ; U1#18.51 v1(30.33,20.42) ; U1#15.37 110.28,97.17 ; U1#3.49.6 24.45,64.69 ; U1#12.37 65.33,49.95 ; U1#5.43 110.25,29.41 ; U1#12.43 65.3,45.15 ; U1#15.46 110.62,89.97 v1(110.85,89.74) ; U1#15.38 110.44,96.37 ; U1#8.51 v1(75.28,20.42) ; U1#17.38 65.49,80.63 ; U1.42 20.44,30.21 ; U1#7.38 110.44,64.89 ; U1#12.36 64.45,50.8 U1#12.50 64.45,52.12 65.26,52.94 v1(65.52,52.94) ; U1#4.51 v1(120.23,20.42) ; U1#2.51 v1(30.33,51.9) ; U1#5.37 110.28,34.21 ; U1#14.52 30.33,71.48 ; v1(20.57,52.94) 20.31,52.94 19.5,52.12 U1#2.50 19.5,50.8 U1#2.36 ; U1#6.52 75.28,55.74 ; v1(73.31,58.85) 73.67,58.49 U1#6.14 ; v1(65.9,16.5) 65.47,16.07 U1#8.40 ; v1(65.9,16.5) 65.95,16.45 67.42,16.45 ; v1(20.95,26.78) 20.72,27.01 U1.46 ; U1.49.6 24.45,33.21 ; U1#12.42 65.39,45.95 ; U1#9.43 65.3,92.37 ; U1#4.49.4 U1#4.49.5 ; U1#4.49.5 116.32,17.63 ; U1#15.49.6 114.35,96.17 ; U1#15.49.6 U1#15.49.5 ; U1#6.44 65.47,60.09 ; 116.32,47.93 116.32,49.11 ; U1#18.52 30.33,8.52 ; U1#12.38 65.49,49.15 ; U1#5.49.5 116.32,33.37 ; U1#11.42 20.44,93.17 ; U1#9.37 65.33,97.17 ; v1(65.9,63.72) 65.53,64.09 U1#6.39 ; U1#3.52 30.33,55.74 ; U1#18.38 20.54,17.67 ; U1#3.37 20.38,65.69 ; U1#14.44 20.51,75.83 ; U1#15.49.5 116.32,96.33 ; U1#12.52 75.28,40 ; U1#8.52 75.28,8.52 ; U1#9.49.3 71.38,89.63 v1(71.36,89.61) 71.86,89.61 73.4,88.08 U1#9.11 73.4,86.58 ; U1#4.38 110.44,17.67 ; v1(110.85,11.04) 110.62,11.27 U1#4.46 ; U1#11.51 v1(30.33,99.12) ; U1#17.51 v1(75.28,83.38) ; U1#9.38 65.49,96.37 ; U1#9.51 v1(75.28,99.12) ; U1#10.44 110.41,75.83 ; U1#2.43 20.35,45.15 ; U1#9.52 75.28,87.22 ; U1#7.42 110.34,61.69 ; U1#2.52 30.33,40 ; U1#10.43 110.25,76.63 ; U1#14.14 28.72,74.23 v1(28.36,74.59) ; U1#3.51 v1(30.33,67.64) ; v1(73.31,27.37) 73.67,27.01 U1#16.14 ; U1#10.46 110.62,74.23 v1(110.85,74) ; U1#4.39 110.48,16.87 v1(110.85,16.5) ; U1#11.38 20.54,96.37 ; U1#6.51 v1(75.28,67.64) ; U1#13.51 v1(120.23,51.9) ; U1#18.44 20.51,12.87 ; U1#15.42 110.34,93.17 ; U1#16.42 65.39,30.21 ; U1#13.52 120.23,40 ; U1#6.43 65.3,60.89 ; U1#3.43 20.35,60.89 ; U1#15.44 110.41,91.57 ; U1#11.37 20.38,97.17 ; U1#6.37 65.33,65.69 ; U1#5.44 110.41,28.61 ; U1#17.42 65.39,77.43 ; U1#6.36 64.45,66.54 U1#6.50 64.45,67.86 65.26,68.68 v1(65.52,68.68) ; v1(110.85,16.5) 110.41,16.07 U1#4.40 ; U1#10.52 120.23,71.48 ; U1#8.42 65.39,14.47 ; U1#4.52 120.23,8.52 ; U1#5.51 v1(120.23,36.16) ; U1#6.38 65.49,64.89 ; U1#16.44 65.47,28.61 ; U1#17.43 65.3,76.63 ; U1#3.44 20.51,60.09 ; U1#10.51 v1(120.23,83.38) ; U1#4.37 110.28,18.47 ; U1#9.42 65.39,93.17 ; U1#13.38 110.44,49.15 ; U1#12.44 65.47,44.35 ; U1.44 20.51,28.61
  Top w0.559: U2#5.2 v1(127.23,48.49) ; U2#9.2 v1(82.28,32.75) ; U2#16.2 v1(127.23,95.71) ; U2#14.2 v1(127.23,32.75) ; U2#17.2 v1(127.23,64.23) ; U2#13.2 v1(82.28,95.71) ; U2#3.2 v1(37.33,48.49) ; U2#11.2 v1(82.28,64.23) ; U2#10.2 v1(82.28,48.49) ; U2#7.2 v1(37.33,79.97) ; U2#12.2 v1(82.28,79.97) ; U2#18.2 v1(37.33,17.01) ; U2#2.2 v1(37.33,95.71) ; U2#8.2 v1(82.28,17.01) ; U2#4.2 v1(127.23,17.01) ; U2#15.2 v1(127.23,79.97) ; U2.2 v1(37.33,64.23) ; U2#6.2 v1(37.33,32.75)
  vias: v1(23.11,86.19) v1(23.11,70.45) v1(23.11,54.71) v1(23.11,38.97) v1(23.11,23.23) v1(23.11,7.49) v1(23.16,96.43) v1(23.16,80.69) v1(23.16,64.95) v1(23.16,49.21) v1(23.16,33.47) v1(23.16,17.73) v1(30.34,96.34) v1(30.34,80.61) v1(30.34,64.87) v1(30.34,49.12) v1(30.34,33.39) v1(30.34,17.65) v1(33.01,94.19) v1(33.01,78.45) v1(33.01,62.71) v1(33.01,46.97) v1(33.01,31.23) v1(33.01,15.49) v1(34.16,90) v1(34.16,74.26) v1(34.16,58.52) v1(34.16,42.78) v1(34.16,27.04) v1(34.16,11.3) v1(35.83,90.4) v1(35.83,74.66) v1(35.83,58.92) v1(35.83,43.18) v1(35.83,27.44) v1(35.83,11.7) v1(39.23,99.52) v1(39.23,86.82) v1(39.23,83.78) v1(39.23,71.08) v1(39.23,68.04) v1(39.23,55.34) v1(39.23,52.3) v1(39.23,39.6) v1(39.23,36.56) v1(39.23,23.86) v1(39.23,20.82) v1(39.23,8.12) v1(47.24,86.31) v1(47.24,70.57) v1(47.24,54.83) v1(47.24,39.09) v1(47.24,23.35) v1(47.24,7.61) v1(68.11,96.43) v1(68.06,86.19) v1(68.11,80.69) v1(68.06,70.45) v1(68.11,64.95) v1(68.06,54.71) v1(68.11,49.21) v1(68.06,38.97) v1(68.11,33.47) v1(68.06,23.23) v1(68.11,17.73) v1(68.06,7.49) v1(75.29,96.34) v1(75.29,80.61) v1(75.29,64.87) v1(75.29,49.12) v1(75.29,33.39) v1(75.29,17.65) v1(77.96,94.19) v1(77.96,78.45) v1(77.96,62.71) v1(77.96,46.97) v1(77.96,31.23) v1(77.96,15.49) v1(79.1,90) v1(79.1,74.26) v1(79.1,58.52) v1(79.1,42.78) v1(79.1,27.04) v1(79.1,11.3) v1(80.78,90.4) v1(80.78,74.66) v1(80.78,58.92) v1(80.78,43.18) v1(80.78,27.44) v1(80.78,11.7) v1(84.19,99.52) v1(84.19,86.82) v1(84.19,83.78) v1(84.19,71.08) v1(84.19,68.04) v1(84.19,55.34) v1(84.19,52.3) v1(84.19,39.6) v1(84.19,36.56) v1(84.19,23.86) v1(84.19,20.82) v1(84.19,8.12) v1(92.19,86.31) v1(92.19,70.57) v1(92.19,54.83) v1(92.19,39.09) v1(92.19,23.35) v1(92.19,7.61) v1(113.01,86.19) v1(113.01,70.45) v1(113.01,54.71) v1(113.01,38.97) v1(113.01,23.23) v1(113.01,7.49) v1(113.06,96.43) v1(113.06,80.69) v1(113.06,64.95) v1(113.06,49.21) v1(113.06,33.47) v1(113.06,17.73) v1(120.25,96.34) v1(120.25,80.61) v1(120.25,64.87) v1(120.25,49.12) v1(120.25,33.39) v1(120.25,17.65) v1(122.91,94.19) v1(122.91,78.45) v1(122.91,62.71) v1(122.91,46.97) v1(122.91,31.23) v1(122.91,15.49) v1(124.06,90) v1(124.06,74.26) v1(124.06,58.52) v1(124.06,42.78) v1(124.06,27.04) v1(124.06,11.3) v1(125.73,90.4) v1(125.73,74.66) v1(125.73,58.92) v1(125.73,43.18) v1(125.73,27.44) v1(125.73,11.7) v1(129.13,99.52) v1(129.13,86.82) v1(129.13,83.78) v1(129.13,71.08) v1(129.13,68.04) v1(129.13,55.34) v1(129.13,52.3) v1(129.13,39.6) v1(129.13,36.56) v1(129.13,23.86) v1(129.13,20.82) v1(129.13,8.12) v1(137.14,86.31) v1(137.14,70.57) v1(137.14,54.83) v1(137.14,39.09) v1(137.14,23.35) v1(137.14,7.61)
